# Altium PCB RoBeast_Control_Board_PCB.PcbDoc (part 1 of 3) (continued)
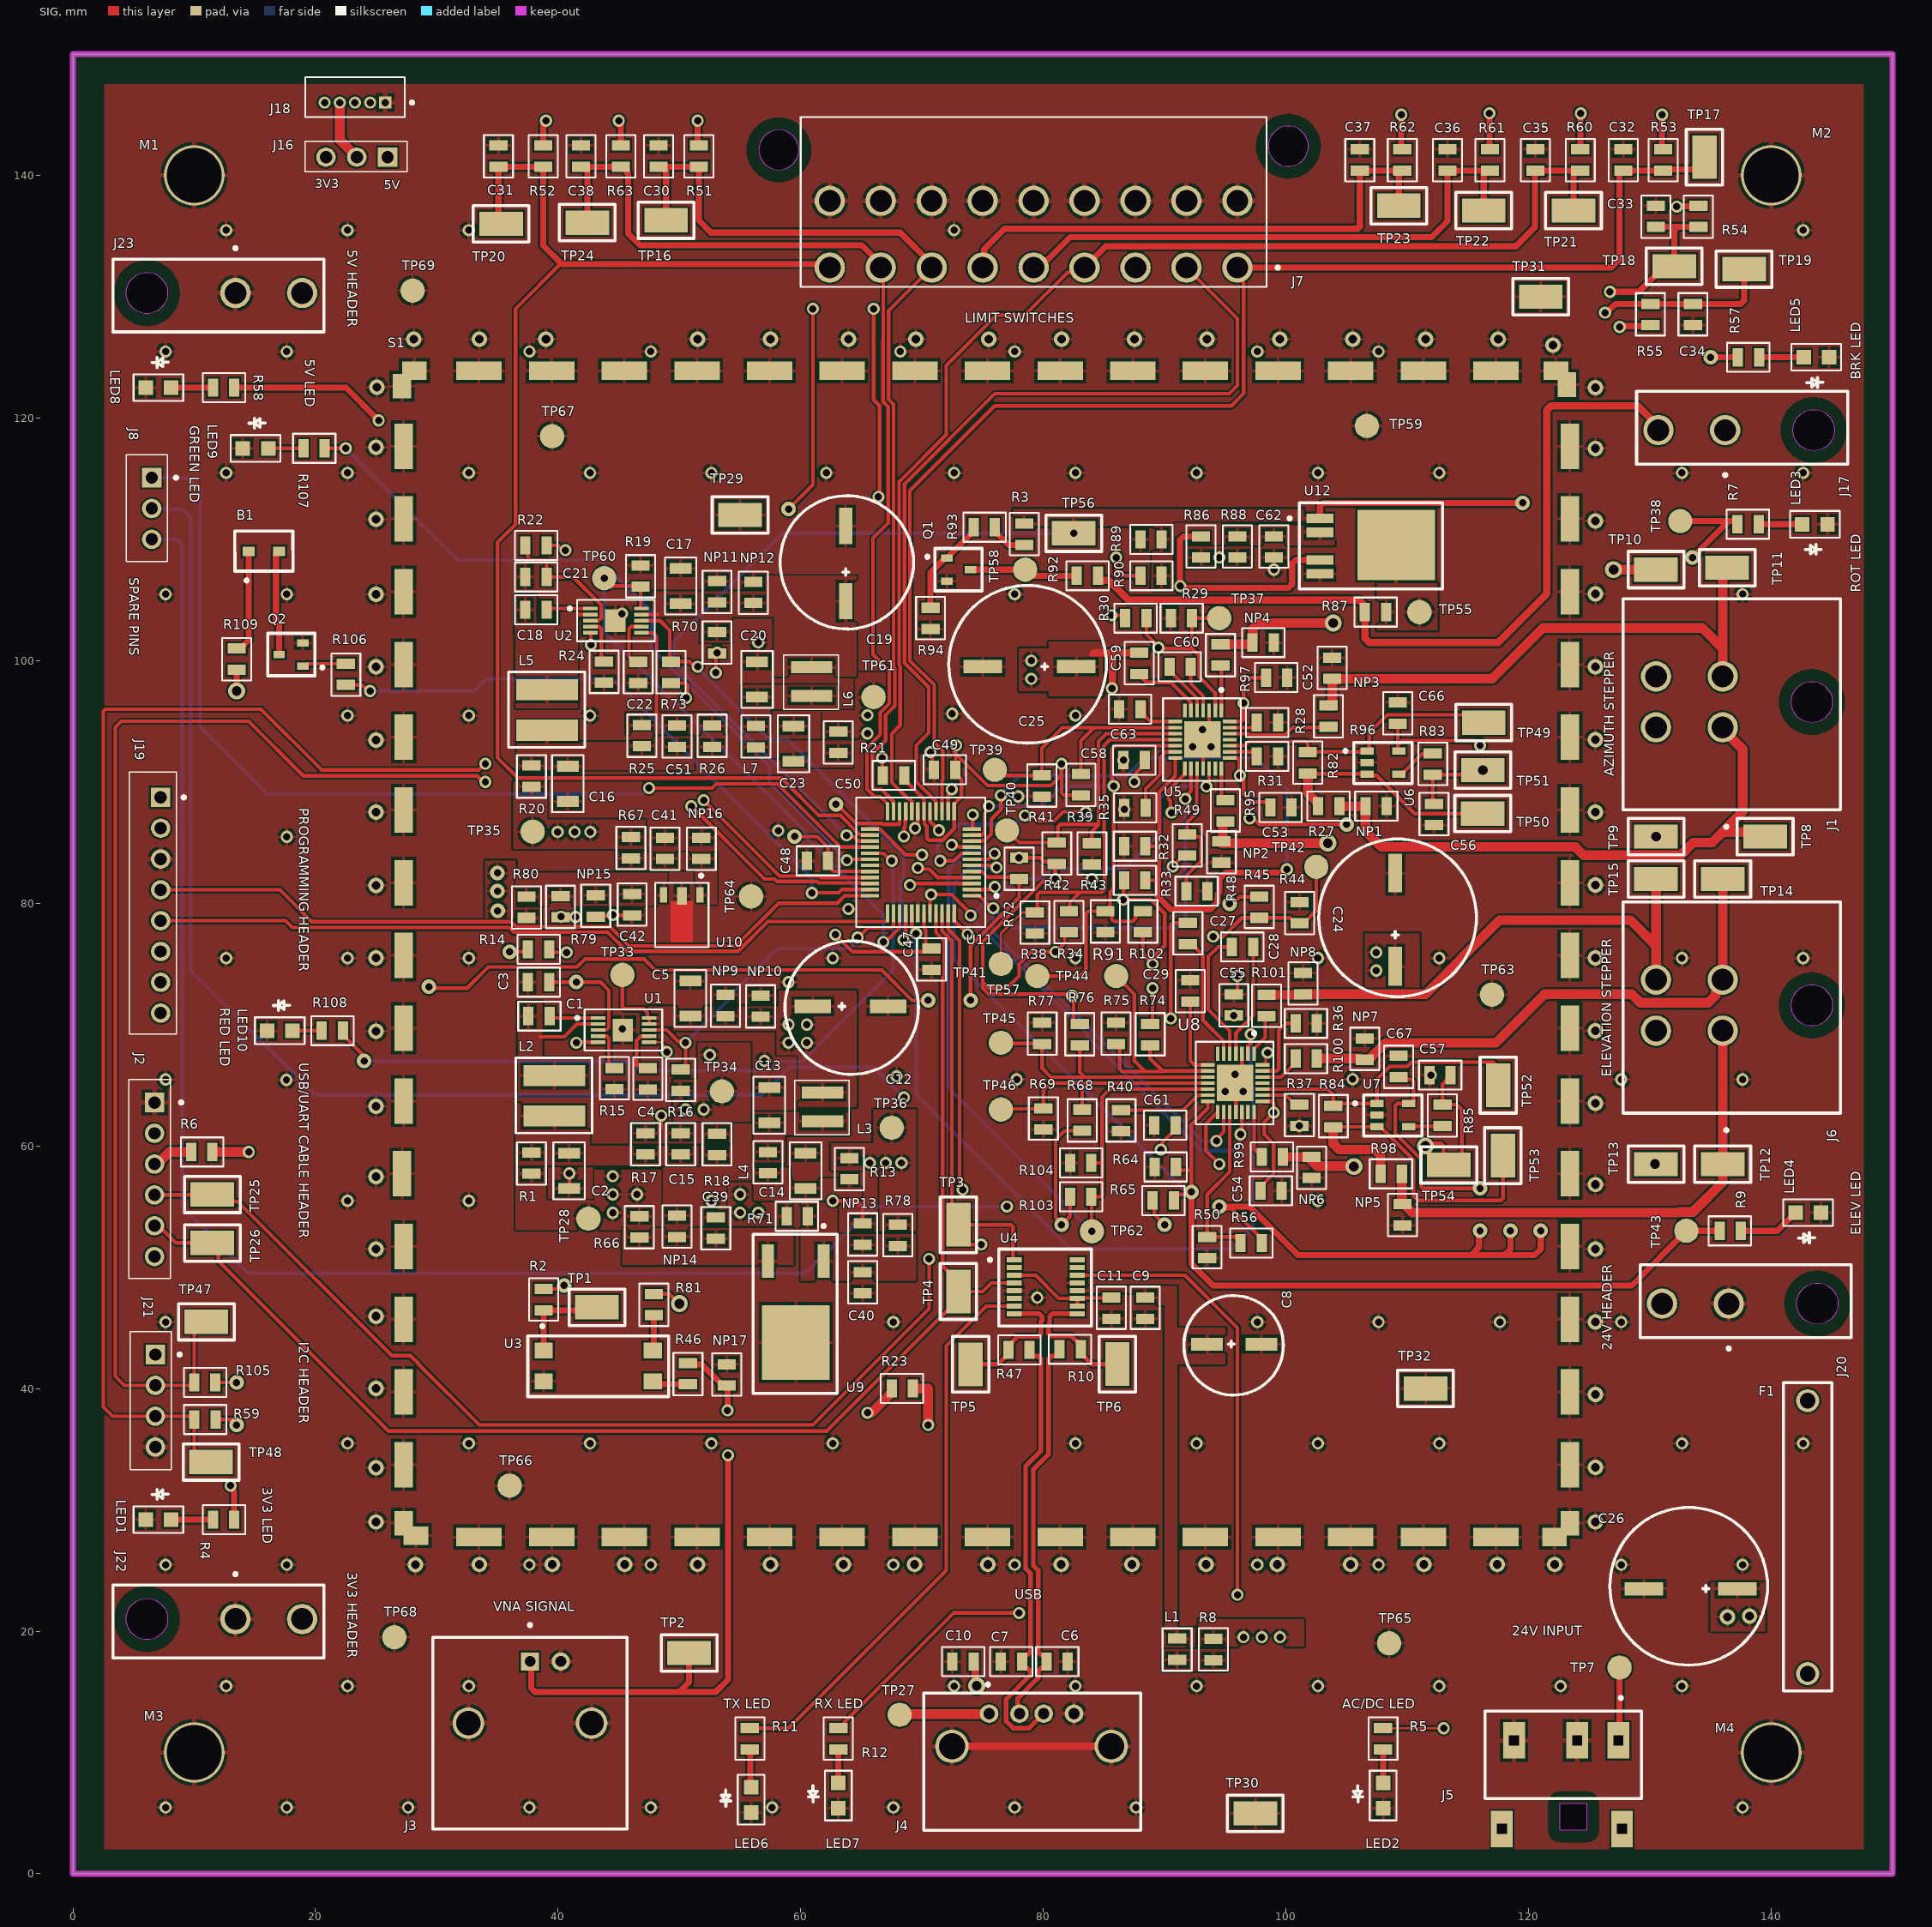
[diagram p0: SIG view]
## Design rules (kind name [scope] priority, off if disabled: settings)
BoardOutlineClearance [All] p1: gap=1 ignorepadtopadclearanceinfootprint=FALSE
Clearance [All] p1: gap=0.15 ignorepadtopadclearanceinfootprint=FALSE
DiffPairsRouting [All] p1: maxlimit=0.254 minlimit=0.254 mostfreqgap=0.254 toplayer_minwidth=0.381 toplayer_maxwidth=0.381 toplayer_prefwidth=0.381 midlayer1_minwidth=0.381 midlayer1_maxwidth=0.381 midlayer1_prefwidth=0.381 midlayer2_minwidth=0.381 midlayer2_maxwidth=0.381 midlayer2_prefwidth=0.381 bottomlayer_minwidth=0.381 bottomlayer_maxwidth=0.381 bottomlayer_prefwidth=0.381 maxuncoupledlength=12.7
HoleSize [All] p1: absolutevalues=TRUE maxlimit=6.2 minlimit=0.3 maxpercent=80.000 minpercent=20.000
HoleToHoleClearance [All] p1: gap=0.41 allowstackedmicrovias=TRUE
MinimumAnnularRing [All] p1: minimumring=0.15
MinimumSolderMaskSliver [All] p1: minsoldermaskwidth=0.102
PolygonConnect [All] p1: thpad.connectstyle=Relief thpad.reliefconductorwidth=0.4 thpad.reliefentries=4 thpad.polygonreliefangle="90 Angle" thpad.airgapwidth=0.254 smdpad.connectstyle=Relief smdpad.reliefconductorwidth=0.254 smdpad.reliefentries=4 smdpad.polygonreliefangle="90 Angle" smdpad.airgapwidth=0.254 via.connectstyle=Relief via.reliefconductorwidth=0.254 via.reliefentries=4 via.polygonreliefangle="90 Angle" via.airgapwidth=0.254
RoutingLayers [All] p1: top layer_v5=TRUE mid layer 1_v5=FALSE mid layer 2_v5=TRUE bottom layer_v5=TRUE
RoutingVias [All] p1: holewidth=0.6 width=1.2 viastyle="Through Hole" minholewidth=0.3 minwidth=0.6 maxholewidth=6.2 maxwidth=6.8
SolderMaskExpansion [All] p1: expansion=0.102 istentingtop=FALSE
UnRoutedNet [All] p1: checkbadconnections=TRUE
Width [All] p1: maxlimit=1 minlimit=0.1 preferedwidth=0.3
24 further rules are at their usual default settings.

## Classes and differential pairs
component class RoBeast_DC_Brake: C62 J17 Q1 R3 R86 R87 R88 R89 R90 R92 R93 R94 TP55 TP56 TP58 U12
component class RoBeast_Current_Sense: C56 C57 C66 C67 R82 R83 R84 R85 TP49 TP50 TP51 TP52 TP53 TP54 U6 U7
component class RoBeast_UI: C6 C7 C8 C9 C10 C11 J2 J3 J4 L1 LED1 LED2 LED3 LED4 LED5 LED6 LED7 LED8 NP17 R2 R4 R5 R6 R7 R8 R9 R10 R11 R12 R23 R46 R47 R57 R58 R81 TP1 TP2 TP3 TP4 TP5 TP6 TP25 TP26 TP27 U3 U4
component class RoBeast_uC: B1 C47 C48 C49 C50 J8 J19 J21 LED9 LED10 Q2 R59 R72 R105 R106 R107 R108 R109 TP47 TP48 U11
component class RoBeast_Power_Switching: C1 C2 C3 C4 C5 C12 C13 C14 C15 C16 C17 C18 C19 C20 C21 C22 C23 C24 C25 C26 C51 F1 J5 J20 J22 J23 L2 L3 L4 L5 L6 L7 NP9 NP10 NP11 NP12 R1 R13 R14 R15 R16 R17 R18 R19 R20 R21 R22 R24 R25 R26 R70 R73 TP7 TP33 TP34 TP35 TP36 TP60 TP61 U1 U2
component class RoBeast_Power_Linear: C39 C40 C41 C42 NP13 NP14 NP15 NP16 R66 R67 R71 R78 R79 R80 TP28 U9 U10
component class RoBeast_Positional_Feedback: C30 C31 C32 C33 C34 C35 C36 C37 C38 J7 J16 J18 R51 R52 R53 R54 R55 R60 R61 R62 R63 TP16 TP17 TP18 TP19 TP20 TP21 TP22 TP23 TP24
component class RoBeast_Mounting_Shield: M1 M2 M3 M4 S1 TP29 TP30 TP31 TP32 TP59 TP63 TP64 TP65 TP66 TP67 TP68 TP69
component class RoBeast_Driver: C27 C28 C29 C52 C53 C54 C55 C58 C59 C60 C61 C63 J1 J6 NP1 NP2 NP3 NP4 NP5 NP6 NP7 NP8 R27 R28 R29 R30 R31 R32 R33 R34 R35 R36 R37 R38 R39 R40 R41 R42 R43 R44 R45 R48 R49 R50 R56 R64 R65 R68 R69 R74 R75 R76 R77 R91 R95 R96 R97 R98 R99 R100 R101 R102 R103 R104 TP8 TP9 TP10 TP11 TP12 TP13 TP14 TP15 TP37 TP38 TP39 TP40 TP41 TP42 TP43 TP44 TP45 TP46 TP57 TP62 U5 U8
differential pair USB_IN: +USB_IN_P -USB_IN_N
differential pair USB: +USB_P -USB_N

## Components (designator, comment, footprint, x,y, rotation, side; value= is the part's Value field where it differs from the comment)
B1 "Buzzer" TE034003-1 14.5,109 r90 top
C1 "100nF" 0805 39.3,70.7 r180 top
C2 "22uF" 1206 40.9,59.4 r270 top
C3 "1uF" 0805 39.25,73.5 r180 top
C4 "10nF" 0805 47.4,66.4 r270 top
C5 "4.7uF" 1206 50.9,70.7 r90 top
C6 "47pF" 0805 82,17.5 r180 top
C7 "47pF" 0805 76.5,17.5 r0 top
C8 "4.7uF" EDK475M050A9DAA 93.476,43.661 r0 top
C9 "100nF" 0805 88.4,47.5 r270 top
C10 "10nF" 0805 74.25,17.5 r180 top
C11 "100nF" 0805 85.6,47.5 r270 top
C12 "33uF" 63SXV33M 61,71.5 r0 top
C13 "4.7uF" 1206 57.4,61.9 r90 top
C14 "4.7uF" 1206 60.4,56.5 r90 top
C15 "47pF" 0805 50.1,59.3 r90 top
C16 "22uF" 1206 40.8,91.3 r270 top
C17 "4.7uF" 1206 50.1,104.7 r90 top
C18 "100nF" 0805 39.05,104.2 r180 top
C19 "33uF" 63SXV33M 63.7,104.9 r90 top
C20 "4.7uF" 1206 56.4,97 r90 top
C21 "1uF" 0805 39.05,106.9 r180 top
C22 "10nF" 0805 46.6,99.9 r270 top
C23 "4.7uF" 1206 59.4,91.7 r90 top
C24 "100uF" UCD1H101MNL1GS 109,74.8 r90 top
C25 "100uF (NP)" UCD1H101MNL1GS 82.7,99.5 r180 top
C26 "100uF (NP)" UCD1H101MNL1GS 137.2,23.5 r180 top
C27 "100nF" 0805 91.914,78.379 r270 top
C28 "100nF" 0805 95.55,76.4 r0 top
C29 "220nF" 0805 92.1,71.9 r90 top
C30 "1uF" 0805 48.278,140.717 r90 top
C31 "1uF" 0805 35.078,140.717 r90 top
C32 "1uF" 0805 127.8,140.4 r90 top
C33 "1uF" 0805 130.5,135.75 r90 top
C34 "1uF" 0805 133.545,129.398 r270 top
C35 "1uF" 0805 120.558,140.4 r90 top
C36 "1uF" 0805 113.314,140.4 r90 top
C37 "1uF" 0805 106.085,140.4 r90 top
C38 "1uF" 0805 41.878,140.717 r90 top
C39 "100nF" 0805 53,52.35 r90 top
C40 "0.33uF" 0805 65.1,49.6 r270 top
C41 "100nF" 0805 48.8,83.65 r90 top
C42 "0.33uF" 0805 46.1,80.75 r270 top
C47 "100nF" 0805 70.774,74.522 r90 top
C48 "100nF" 0805 62.25,83.5 r180 top
C49 "100nF" 0805 72.733,91 r180 top
C50 "100nF" 0805 68.523,90.539 r180 top
C51 "47pF" 0805 49.8,92.9 r90 top
C52 "1uF" 0805 98.35,98.6 r0 top
C53 "1uF" 0805 98.7,87.9 r0 top
C54 "1uF" 0805 97.9,56.3 r0 top
C55 "1uF" 0805 95.7,70.75 r90 top
C56 "47nF" 0805 112.2,88.2 r270 top
C57 "47nF" 0805 113.566,65.834 r180 top
C58 "1uF" 0805 88.35,91.8 r180 top
C59 "100nF" 0805 87.9,100.65 r270 top
C60 "100nF" 0805 90.4,99.5 r0 top
C61 "1uF" 0805 90.9,61.7 r180 top
C62 "100nF" 0805 99,110.25 r270 top
C63 "220nF" 0805 88,96 r180 top
C66 "100nF" 0805 109.222,94.806 r90 top
C67 "100nF" 0805 109.283,65.67 r90 top
F1 "Fuse Cartridge Holder" 0031.8201 143,16.5 r90 top
J1 "4 Pin Connector" 0015246043 136,94.5 r90 top
J2 "6 Pin Connector" PH1RB-06-UA 6.729,63.58 r270 top
J3 "BNC Connector" 0731375003 37.68,17.5 r0 top
J4 "USB Connector" UE27AC54100 75.53,13.2 r0 top
J5 "Power Jack Connector" 54-00128 127.4,11 r90 top
J6 "4 Pin Connector" 0015246043 136,69.5 r90 top
J7 "18 Pin Connector" 0039291188 95.994,137.9 r180 top
J8 "3 Pin Connector" PH1RB-03-UA 6.5,115.08 r270 top
J16 "3 Pin Connector" PH1-03-UA 25.94,141.5 r180 top
J17 "2 Pin Connector" WM14505-ND 143.5,119 r90 top
J18 "5 Pin Male Connector" 0530480510 25.75,146 r180 top
J19 "8 Pin Connector" PH1RB-08-UA 7.237,88.726 r270 top
J20 "2 Pin Connector" WM14505-ND 143.8,47 r90 top
J21 "4 Pin Connector" PH1RB-04-UA 6.8,42.8 r270 top
J22 "2 Pin Connector" WM14505-ND 6.1,21 r270 top
J23 "2 Pin Connector" WM14505-ND 6.1,130.3 r270 top
L1 "600 Ohms" 0805 91.031,17.638 r90 top
L2 "27uH" MSS5121-273MLB 39.7,62.46 r180 top
L3 "4.7uH" XAL4030-472MEC 61.8,64.4 r270 top
L4 "220 Ohms" 0805 57.3,59.5 r270 top
L5 "27uH" MSS5121-273MLB 39.1,94.26 r180 top
L6 "4.7uH" XAL4030-472MEC 60.9,99.47 r270 top
L7 "220 Ohms" 0805 56.3,94.6 r270 top
LED1 "Orange LED" 0805_LED 8.1,29.2 r180 top
LED2 "Orange LED" 0805_LED 108,7.5 r270 top
LED3 "Blue LED" 0805_LED 142.547,111.245 r0 top
LED4 "Blue LED" 0805_LED 142,54.5 r0 top
LED5 "Blue LED" 0805_LED 142.67,125.006 r0 top
LED6 "Blue LED" 0805_LED 55.897,7.152 r270 top
LED7 "Blue LED" 0805_LED 63.1,7.5 r270 top
LED8 "Orange LED" 0805_LED 8.1,122.5 r180 top
LED9 "Blue LED" 0805_LED 16.1,117.5 r180 top
LED10 "Blue LED" 0805_LED 18.1,69.5 r180 top
M1 "M4 Mounting Screw Hole" M4 10,140 r0 top
M2 "M4 Mounting Screw Hole" M4 140,140 r0 top
M3 "M4 Mounting Screw Hole" M4 10,10 r0 top
M4 "M4 Mounting Screw Hole" M4 140,10 r0 top
NP1 "Not Populated" 0805 108.3,88 r180 top
NP2 "Not Populated" 0805 94.674,83.359 r90 top
NP3 "Not Populated" 0805 103.814,100.25 r270 top
NP4 "Not Populated" 0805 98.983,101.485 r180 top
NP5 "Not Populated" 0805 109.6,53.45 r90 top
NP6 "Not Populated" 0805 102.1,57.35 r90 top
NP7 "Not Populated" 0805 106.5,68.85 r270 top
NP8 "Not Populated" 0805 101.4,74.25 r270 top
NP9 "Not Populated" 0805 53.8,70.7 r90 top
NP10 "Not Populated" 0805 56.7,70.65 r90 top
NP11 "Not Populated" 0805 53.1,104.8 r90 top
NP12 "Not Populated" 0805 56.1,104.75 r90 top
NP13 "Not Populated" 0805 65.1,51.85 r90 top
NP14 "Not Populated" 0805 49.8,52.5 r90 top
NP15 "Not Populated" 0805 43.1,80.65 r270 top
NP16 "Not Populated" 0805 51.8,83.65 r90 top
NP17 "Not Populated" 0805 53.9,42 r270 top
Q1 "NPN BJT" BC846BLT1G 72.05,108.45 r270 top
Q2 "NPN BJT" BC846BLT1G 18.95,99.55 r90 top
R1 "0R" 0805 37.8,57.7 r90 top
R2 "110R" 0805 38.8,48.2 r270 top
R3 "0R" 0805 78.426,111.291 r270 top
R4 "68R" 0805 13.3,29.2 r180 top
R5 "1.1kR" 0805 108,12 r270 top
R6 "0R" 0805 11.5,59.5 r180 top
R7 "330R" 0805 137.213,111.245 r0 top
R8 "0R" 0805 94.009,19.362 r270 top
R9 "330R" 0805 135.75,53 r0 top
R10 "27R" 0805 81.334,43.239 r0 top
R11 "330R" 0805 55.797,12.002 r270 top
R12 "330R" 0805 63.1,12 r270 top
R13 "0R" 0805 64,57.25 r90 top
R14 "0R" 0805 39.25,76.2 r180 top
R15 "71.5kR" 0805 44.648,66.419 r270 top
R16 "100kR" 0805 50.1,66.3 r270 top
R17 "160kR" 0805 47.2,59.3 r90 top
R18 "47kR" 0805 53.1,61 r270 top
R19 "4.7kR" 0805 46.8,106.1 r90 top
R20 "0R" 0805 37.8,89.6 r90 top
R21 "0R" 0805 63.1,92.4 r90 top
R22 "0R" 0805 39.05,109.5 r180 top
R23 "0R" 0805 67.5,40 r0 top
R24 "60.4kR" 0805 43.78,99.92 r270 top
R25 "1MR" 0805 46.9,92.95 r90 top
R26 "187kR" 0805 52.7,94.65 r270 top
R27 "0R" 0805 102.65,88 r0 top
R28 "200mR" 0805 97.6,94.9 r0 top
R29 "4.7kR (NP)" 0805 92.25,103.5 r180 top
R30 "4.7kR" 0805 86.75,103.5 r0 top
R31 "200mR" 0805 97.6,92.1 r0 top
R32 "4.7kR" 0805 88.4,84.7 r180 top
R33 "4.7kR (NP)" 0805 88.4,81.9 r180 top
R34 "4.7kR (NP)" 0805 82.1,77.6 r90 top
R35 "10kR" 0805 88.424,87.864 r180 top
R36 "200mR" 0805 100.8,70.1 r0 top
R37 "200mR" 0805 101.1,63.4 r270 top
R38 "4.7kR" 0805 79.3,79.25 r270 top
R39 "4.7kR (NP)" 0805 83.1,88.9 r90 top
R40 "10kR" 0805 86.4,62.95 r270 top
R41 "4.7kR" 0805 79.873,90.551 r270 top
R42 "4.7kR (NP)" 0805 81.1,83.25 r90 top
R43 "4.7kR" 0805 84,84.95 r270 top
R44 "4.7kR (NP)" 0805 101.125,78.35 r90 top
R45 "4.7kR" 0805 97.8,80.55 r270 top
R46 "0R" 0805 50.7,40.35 r90 top
R47 "27R" 0805 78.862,43.198 r180 top
R48 "0R (NP)" 0805 91.783,80.996 r0 top
R49 "0R" 0805 91.864,83.931 r90 top
R50 "0R (NP)" 0805 93.5,52.5 r270 top
R51 "10kR" 0805 51.598,140.717 r90 top
R52 "10kR" 0805 38.778,140.717 r90 top
R53 "10kR" 0805 131.1,140.4 r90 top
R54 "10kR" 0805 134,135.75 r90 top
R55 "10kR" 0805 130.045,129.398 r270 top
R56 "0R" 0805 98,52 r180 top
R57 "330R" 0805 137.25,125 r0 top
R58 "150R" 0805 13.3,122.5 r180 top
R59 "4.7kR" 0805 11.758,37.446 r180 top
R60 "10kR" 0805 124.258,140.4 r90 top
R61 "10kR" 0805 116.814,140.4 r90 top
R62 "10kR" 0805 109.585,140.4 r90 top
R63 "10kR" 0805 45.178,140.717 r90 top
R64 "4.7kR" 0805 90.923,58.266 r180 top
R65 "4.7kR (NP)" 0805 90.75,55.5 r180 top
R66 "0R" 0805 46.7,52.45 r90 top
R67 "0R" 0805 46,83.7 r90 top
R68 "4.7kR (NP)" 0805 83.2,61.25 r90 top
R69 "4.7kR" 0805 80,63.1 r270 top
R70 "0R" 0805 53.1,102.35 r270 top
R71 "0R" 0805 58.831,54.2 r0 top
R72 "10kR" 0805 78,82 r90 top
R73 "100kR" 0805 49.3,99.9 r270 top
R74 "4.7kR (NP)" 0805 88.8,70.05 r270 top
R75 "4.7kR" 0805 86,68.4 r90 top
R76 "4.7kR (NP)" 0805 83,70.05 r270 top
R77 "4.7kR" 0805 79.9,68.4 r90 top
R78 "0R" 0805 68,53.5 r270 top
R79 "0R" 0805 40.2,78.85 r90 top
R80 "0R" 0805 37.4,78.8 r90 top
R81 "0R" 0805 47.9,46.05 r90 top
R82 "20mR" 0805 101.8,92.45 r270 top
R83 "1.1kR" 0805 112.1,92.35 r270 top
R84 "20mR" 0805 103.9,63.3 r270 top
R85 "1.1kR" 0805 112.9,61.65 r90 top
R86 "4.7kR" 0805 93,110.25 r270 top
R87 "0R" 0805 108.25,104 r180 top
R88 "0R" 0805 96,110.25 r270 top
R89 "4.7kR" 0805 89.75,110 r180 top
R90 "4.7kR (NP)" 0805 89.75,107 r180 top
R91 "4.7kR" 0805 85.1,79.35 r270 top
R92 "0R" 0805 84.5,107 r180 top
R93 "360R" 0805 76,111 r180 top
R94 "100kR" 0805 70.701,104.354 r270 top
R95 "0R" 0805 95,88.5 r270 top
R96 "0R" 0805 103.5,94.55 r90 top
R97 "0R" 0805 94.6,99.6 r90 top
R98 "0R" 0805 107.8,57.7 r0 top
R99 "0R" 0805 98,59.1 r0 top
R100 "0R" 0805 100.8,67.2 r0 top
R101 "0R" 0805 98.4,70.7 r90 top
R102 "4.7kR (NP)" 0805 88.2,79.35 r270 top
R103 "4.7kR (NP)" 0805 83.95,55.8 r180 top
R104 "4.7kR" 0805 83.95,58.6 r180 top
R105 "4.7kR" 0805 11.75,40.5 r180 top
R106 "360R" 0805 22.5,98 r90 top
R107 "330R" 0805 20.75,117.5 r180 top
R108 "330R" 0805 22.25,69.5 r180 top
R109 "27R" 0805 13.5,99.25 r90 top
S1 "LeaderTech-CustShield" CMP-00028-00007-1 27.261,27.881 r0 top locked
TP1 "Test Point" RCWCTE 43.2,46.7 r0 top
TP2 "Test Point" RCWCTE 50.8,18.2 r0 top
TP3 "Test Point" RCWCTE 73,53.5 r90 top
TP4 "Test Point" RCWCTE 73,48 r90 top
TP5 "Test Point" RCWCTE 74,42 r90 top
TP6 "Test Point" RCWCTE 86.098,42.011 r90 top
TP7 "Test Point" "TEST POINT" 127.5,17 r0 top
TP8 "Test Point" RCWCTE 139.5,85.5 r0 top
TP9 "Test Point" RCWCTE 130.5,85.5 r180 top
TP10 "Test Point" RCWCTE 130.5,107.5 r180 top
TP11 "Test Point" RCWCTE 136.369,107.661 r0 top
TP12 "Test Point" RCWCTE 136,58.5 r0 top
TP13 "Test Point" RCWCTE 130.5,58.5 r180 top
TP14 "Test Point" RCWCTE 136,82 r0 top
TP15 "Test Point" RCWCTE 130.5,82 r0 top
TP16 "Test Point" RCWCTE 48.9,136.3 r0 top
TP17 "Test Point" RCWCTE 134.5,141.5 r90 top
TP18 "Test Point" RCWCTE 132,132.5 r180 top
TP19 "Test Point" RCWCTE 137.766,132.273 r0 top
TP20 "Test Point" RCWCTE 35.3,136 r0 top
TP21 "Test Point" RCWCTE 123.7,137.1 r0 top
TP22 "Test Point" RCWCTE 116.3,137.1 r0 top
TP23 "Test Point" RCWCTE 109.3,137.5 r0 top
TP24 "Test Point" RCWCTE 42.4,136.1 r0 top
TP25 "Test Point" RCWCTE 11.5,56 r180 top
TP26 "Test Point" RCWCTE 11.5,52 r180 top
TP27 "Test Point" "TEST POINT" 68.153,13.113 r90 top
TP28 "Test Point" "TEST POINT" 42.5,54 r90 top
TP29 "Test Point" RCWCTE 55,112 r180 top
TP30 "Test Point" RCWCTE 97.468,4.99 r180 top
TP31 "Test Point" RCWCTE 121,130 r180 top
TP32 "Test Point" RCWCTE 111.5,40 r180 top
TP33 "Test Point" "TEST POINT" 45.3,74.1 r90 top
TP34 "Test Point" "TEST POINT" 53.5,64.5 r90 top
TP35 "Test Point" "TEST POINT" 37.9,85.9 r90 top
TP36 "Test Point" "TEST POINT" 67.5,61.5 r90 top
TP37 "Test Point" "TEST POINT" 94.5,103.5 r90 top
TP38 "Test Point" "TEST POINT" 132.5,111.5 r90 top
TP39 "Test Point" "TEST POINT" 76,91 r90 top
TP40 "Test Point" "TEST POINT" 77,86 r90 top
TP41 "Test Point" "TEST POINT" 76.5,75 r90 top
TP42 "Test Point" "TEST POINT" 102.5,83 r90 top
TP43 "Test Point" "TEST POINT" 133,53 r180 top
TP44 "Test Point" "TEST POINT" 86,74 r90 top
TP45 "Test Point" "TEST POINT" 76.5,68.5 r90 top
TP46 "Test Point" "TEST POINT" 76.5,63 r90 top
TP47 "Test Point" RCWCTE 11,45.5 r180 top
TP48 "Test Point" RCWCTE 11.393,33.943 r180 top
TP49 "Test Point" RCWCTE 116.298,94.889 r0 top
TP50 "Test Point" RCWCTE 116.216,87.391 r0 top
TP51 "Test Point" RCWCTE 116.227,90.978 r0 top
TP52 "Test Point" RCWCTE 117.5,65 r90 top
TP53 "Test Point" RCWCTE 117.882,59.196 r90 top
TP54 "Test Point" RCWCTE 113.425,58.437 r0 top
TP55 "Test Point" "TEST POINT" 111,104 r90 top
TP56 "Test Point" RCWCTE 82.5,110.5 r0 top
TP57 "Test Point" "TEST POINT" 79.5,74 r90 top
TP58 "Test Point" "TEST POINT" 78.5,107.5 r90 top
TP59 "Test Point" "Test Point" 106.669,119.342 r90 top
TP60 "Test Point" "TEST POINT" 43.8,106.8 r90 top
TP61 "Test Point" "TEST POINT" 66,97 r90 top
TP62 "Test Point" "TEST POINT" 84.004,52.957 r90 top
TP63 "Test Point" "Test Point" 116.982,72.468 r90 top
TP64 "Test Point" "Test Point" 55.901,80.566 r90 top
TP65 "Test Point" "Test Point" 108.5,19 r90 top
TP66 "Test Point" "Test Point" 36,32 r90 top
TP67 "Test Point" "Test Point" 39.5,118.5 r90 top
TP68 "Test Point" "Test Point" 26.5,19.5 r90 top
TP69 "Test Point" "Test Point" 28,130.5 r90 top
U1 "Switching Regulator" LT8606HMSE#PBF 43.283,70.551 r270 top
U2 "Switching Regulator" LT8606HMSE#PBF 42.656,104.298 r270 top
U3 "Optoisolator" LTV-817S-TA 38.8,43.14 r270 top
U4 "USB/UART Converter" FT230XS-R 77.6,50.61 r270 top
U5 "Stepper Motor Driver" A4988SETTR-T 94.666,95.893 r270 top
U6 "Current Sensor, Gain 100V/V" INA180B3QDBVRQ1 106.7,92.55 r0 top
U7 "Current Sensor, Gain 100V/V" INA180B3QDBVRQ1 107.5,63.5 r0 top
U8 "Stepper Motor Driver" A4988SETTR-T 97.366,67.587 r270 top
U9 "Fixed 3V3 Voltage Regulator" UA78M33CKVURG3 61.88,50.5 r270 top
U10 "Fixed 5V Linear Regulator" AS78L05RTR-E1 51.7,80.688 r180 top
U11 "uC" DSPIC33CK64MP505T-I/PT 74.1,80.624 r180 top
U12 "Power Rail Switch" BTS3011TEATMA1 102.8,111.72 r270 top

## Footprints (in the part's own frame and the unit in brackets; to place one, negate y for a bottom-side part, rotate by r counter-clockwise, add the part's x,y. Pads: shape width x height; smd on the part's side, far side on the other; paste and mask are expansions set on the pad)
0031.8201 [mm]
  round 1.9 hole 1.3: 1(0,0) 2(22.5,0)
  silkscreen extent -1.43,-2 24,2, body extent -1.02,-2.84 23.48,3.51, height 11.18
54-00128 [mm]
  rect 3x1.8 hole 0.8 square: 1(0,0) 2(0,8.6) 3(0,3.4) S1(-7.3,-0.3) S2(-7.3,9.6)
  Keep-Out Layer board cut-out: -7.4,2.6 -7.4,4.8 -5.2,4.8 -5.2,2.6
  silkscreen extent -4.8,-1.9 3.63,11, body extent -10.3,-0.2 1.4,9.9, height 6.61
63SXV33M [mm]
  rect 3x1.1 smd: 1(0,0) 2(6.2,0)
  silkscreen extent -2.3,-5.6 8.7,5.4, body extent -1.6,-4.15 7.4,4.15, height 11.85
0805 [mm]
  rect 0.85x1.5 smd: 1(0,0) 2(1.75,0)
  silkscreen extent -0.9,-1.2 2.6,1.2, body extent -0.23,-0.7 2.03,0.7, height 0.64
0805_LED [mm]
  rect 1.2x1.2 smd: 1(0,0) 2(2.1,0)
  silkscreen extent -1,-2.48 3.1,1.1, body extent 0,-0.63 2,0.63, height 0.77
1206 [mm]
  rect 0.9x1.8 smd: 1(0,0) 2(2.9,0)
  silkscreen extent -0.9,-1.3 3.8,1.3, body extent -0.2,-0.8 3,0.8, height 0.71
0015246043 [mm]
  round 2.5 hole 1.8: 1(0,0) 2(0,5.5) 3(4.2,0) 4(4.2,5.5)
  Keep-Out Layer board cut-out: 2.085,-9.051 1.435,-8.921 0.883,-8.553 0.515,-8.001 0.385,-7.351 0.385,-7.351 0.515,-6.7 0.883,-6.148 1.435,-5.78 2.085,-5.651 2.085,-5.651 2.736,-5.78 3.287,-6.148 3.656,-6.7 3.785,-7.351 3.785,-7.351 3.656,-8.001 3.287,-8.553 2.736,-8.921 2.085,-9.051
  silkscreen extent -8.33,-9.7 10.6,8.2, body extent -5.6,-15.55 9.4,5.68, height 14.5
0039291188 [mm]
  round 2.5 hole 1.8: 1(0,5.5) 2(4.2,5.5) 3(8.4,5.5) 4(12.6,5.5) 5(16.8,5.5) 6(21,5.5) 7(25.2,5.5) 8(29.4,5.5) 9(33.6,5.5) 10(0,0) 11(4.2,0) 12(8.4,0) 13(12.6,0) 14(16.8,0) 15(21,0) 16(25.2,0) 17(29.4,0) 18(33.6,0)
  Keep-Out Layer board cut-out: 36.15,-4.2 36.276,-4.831 36.633,-5.367 37.169,-5.724 37.8,-5.85 37.8,-5.85 38.431,-5.724 38.967,-5.367 39.324,-4.831 39.45,-4.2 39.45,-4.2 39.324,-3.569 38.967,-3.033 38.431,-2.676 37.8,-2.55 37.8,-2.55 37.169,-2.676 36.633,-3.033 36.276,-3.569 36.15,-4.2
  Keep-Out Layer board cut-out: -5.85,-4.5 -5.724,-5.131 -5.367,-5.667 -4.831,-6.024 -4.2,-6.15 -4.2,-6.15 -3.569,-6.024 -3.033,-5.667 -2.676,-5.131 -2.55,-4.5 -2.55,-4.5 -2.676,-3.869 -3.033,-3.333 -3.569,-2.976 -4.2,-2.85 -4.2,-2.85 -4.831,-2.976 -5.367,-3.333 -5.724,-3.869 -5.85,-4.5
  silkscreen extent -3.45,-6.91 36,7.1, body extent -7.6,-13.8 41.4,6.14, height 11.9
0530480510 [mm]
  rect 1x1 hole 0.6 mask+0.051: 1(0,0)
  round 1 hole 0.6 mask+0.051: 2(1.25,0) 3(2.5,0) 4(3.75,0) 5(5,0)
  silkscreen extent -2.33,-2.1 6.6,1.2, body extent -1.5,-4.4 6.5,1.1, height 3.6
0731375003 [mm]
  rect 1.5x1.5 hole 0.89 mask+0.051: 1(0,0)
  round 1.5 hole 0.89 mask+0.051: 2(2.54,0)
  round 2.6 hole 2.01 mask+0.051: 3(-5.08,-5.08) 4(5.08,-5.08)
  silkscreen extent -8,-13.8 8,3.13, body extent -7.34,-33.27 7.42,1.91, height 13.25
A4988SETTR-T [mm]
  rect 1.15x0.3 smd mask+0.03: 1(0,0) 7(0,-3) 15(4.8,-3) 21(4.8,0)
  rect 1.15x0.3 smd mask+0.04: 2(0,-0.5) 3(0,-1) 4(0,-1.5) 5(0,-2) 6(0,-2.5) 16(4.8,-2.5) 17(4.8,-2) 18(4.8,-1.5) 19(4.8,-1) 20(4.8,-0.5)